# Altium PCB uTCA_MCH_PCB3.pcbdoc (part 12 of 25) (continued)
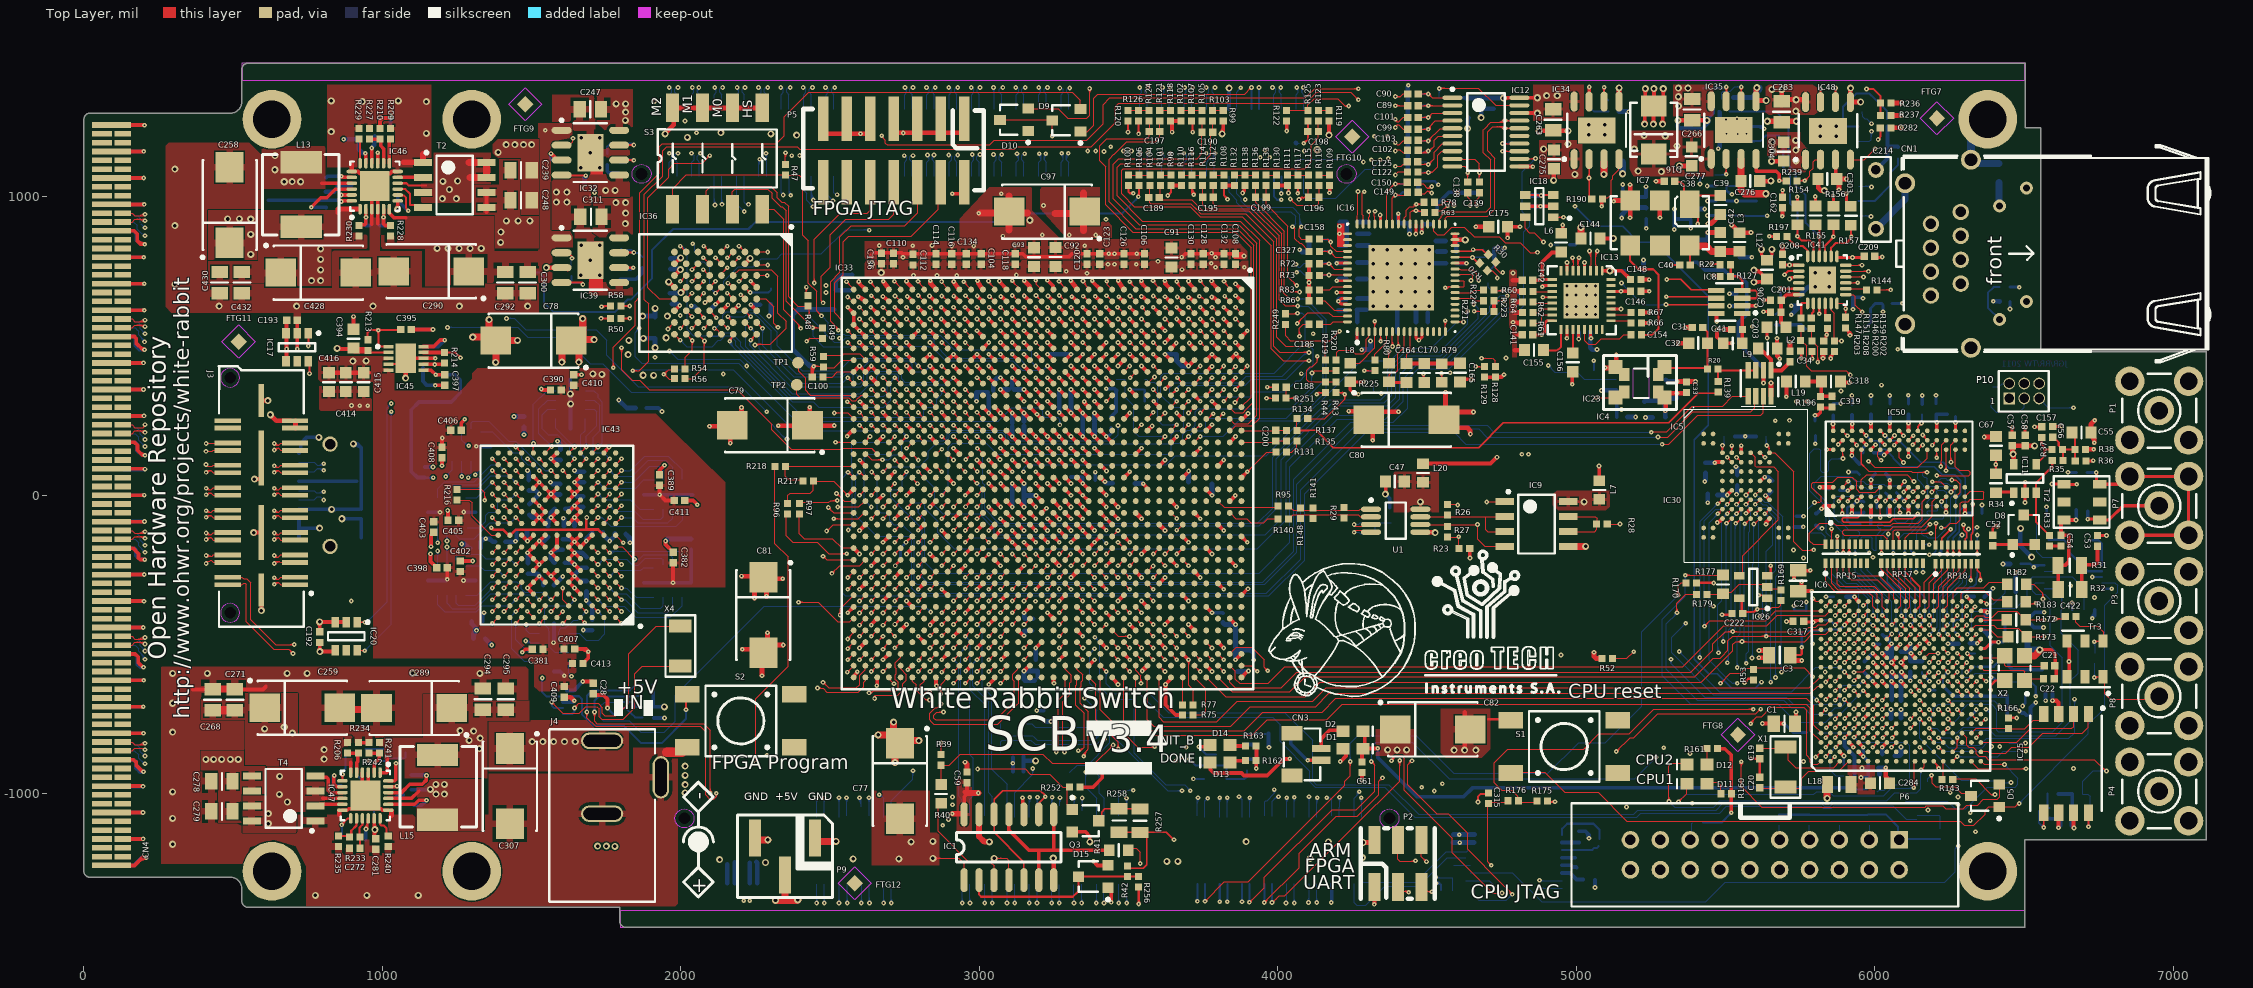
[diagram p0: Top Layer view]
## Nets (pads, with @x,y where several pads share a name; then routed paths per layer and width w, separated by ;. In a path a pad name is that pad's centre, name@x,y a point inside that pad or via, vN(x,y) a via of type N, cw(c..) or ccw(c..) an arc to the next point about the centre after c; other vN are vias at no path point) (continued)
LDO_IN: C277.1 C304.1 D16.1 IC35.1 IC48.1
  other v2: 5285.08,1084.2 5206.75,1086.02 5735.71,1120.66 5658.56,1153.43 5735.3,1155.92 5193.99,1159.5 5337.31,1170.43 5657.32,1182.88 5734.88,1189.1 5297.84,1204.44 5226.79,1205.65
M0: IC33.U8 R49.1 S3.3 | length 1735.7
  Top Layer w3.94: S3.3@2172.44,958.66 2172.44,1016.93 2181.1,1025.59 2291.73,1025.59 2306.05,1011.27 2306.05,994.25 2334.4,965.9 2339.55,965.9 2352.36,953.09 2352.36,650.59 2363.31,639.65 ; 2358.35,645.04 v1(2441.85,561.54) ; v1@2435.94,561.54 ccw(c2421.69,561.54) 2431.77,571.62 ccw(c2441.85,581.7) v1@2441.85,567.44 ; v1@2442.36,561.02 R49.1@2474.41,561.02 ; v1@2446.03,557.36 cw(c2454.87,548.51) 2454.87,561.02 ; v1@2446.03,565.71 ccw(c2457.34,577.03) 2457.34,561.02
  Top Layer w12.6: v1(3228.35,433.07) IC33.U8@3248.03,413.39
  Bottom Layer w3.94: v1@2437.67,557.36 cw(c2424.46,544.14) 2443.15,544.14 ; v1@2440.46,560.14 cw(c2433.96,553.65) 2443.15,553.65 ; 2443.15,550.41 cw(c2452.97,550.41) v1@2446.03,557.36 ; v1@2443.15,560.55 2443.15,532.05 2477.17,498.03 2564.76,498.03 ; 2565.16,498.43 2592.32,498.43 ; 2592.72,498.03 2604.13,498.03 ; 2604.53,498.43 2631.69,498.43 ; 2632.09,498.03 2643.5,498.03 ; 2643.9,498.43 2671.06,498.43 ; 2671.46,498.03 2682.87,498.03 ; 2683.27,498.43 2710.43,498.43 ; 2710.83,498.03 2722.24,498.03 ; 2722.64,498.43 2749.8,498.43 ; 2750.2,498.03 2761.61,498.03 ; 2762.01,498.43 2828.54,498.43 ; 2828.94,498.03 2839.76,498.03 2887.01,450.79 3112.4,450.79 3143.9,419.29 3213.78,419.29 v1@3227.95,433.46 ; 3216.92,422.43 cw(c3228.35,411.01) v1@3228.35,427.17 ; 3218.82,424.33 ccw(c3210.08,433.07) v1@3222.44,433.07
M1: IC33.W8 R48.1 S3.2 | length 1707.6
  Top Layer w3.94: S3.2@2072.44,958.66 2084.65,970.86 2084.65,1019.65 2100.43,1035.43 2300.66,1035.43 2323.24,1012.85 2323.24,996.56 2338.13,981.67 2346.63,981.67 2360.75,967.55 2360.75,664.45 2392.17,633.03 2429.21,633.03 v1@2429.21,599.8 ; v1@2425.63,602.44 ccw(c2416.97,611.1) 2429.21,611.1 ; 2429.21,613.95 ccw(c2445.49,613.95) v1@2433.98,602.44
  Top Layer w12.6: v1(3149.61,433.07) IC33.W8@3169.29,413.39
  Bottom Layer w3.94: v1@2429.8,592.36 cw(c2429.8,578.11) 2439.88,588.19 cw(c2449.97,598.27) v1@2435.71,598.27 ; v1(2429.8,598.27) 2484.25,543.82 2484.25,540.55 2512.99,511.81 2537.2,511.81 2552.95,527.56 2838.38,527.56 2848.43,517.52 2848.43,506.78 2896.54,458.66 3135.04,458.66 3149.21,444.49 ; v1@3145.93,437.7 ccw(c3140.54,444.49) 3149.21,444.49 ; v1@3149.21,433.46 3149.21,444.49 ; v1@3152.76,438.07 cw(c3156.8,444.49) 3149.21,444.49
M2: IC33.V8 R47.1 S3.1 | length 1910.8
  Top Layer w3.94: S3.1@1972.44,958.66 1972.44,1027.56 2018.19,1073.31 R47.1@2351.18,1073.31 ; R47.1@2348.78,1072.87 2396.57,1072.87 2408.72,1060.73 2408.72,870.32 2427.17,851.87 2427.17,711.02 2454.41,683.78 2454.41,618.39 v1@2469.53,603.27 ; 2460.69,612.1 cw(c2449.54,600.94) v1@2465.32,600.94 ; 2462.21,610.58 ccw(c2471.22,619.59) v1@2471.22,606.85
  Top Layer w12.6: v1(3188.98,433.07) IC33.V8@3208.66,413.39
  Bottom Layer w3.94: v1(2471.22,600.94) 2494.09,578.07 2494.09,547.64 2502.36,539.37 2515.75,539.37 ; 2516.14,539.37 2547.25,539.37 2550.79,535.83 2869.49,535.83 2887.8,517.52 ; 2887.8,516.93 2916.54,488.19 3167.32,488.19 3175.2,480.31 3175.2,446.46 v1@3188.58,433.07 ; 3178.22,443.43 ccw(c3188.98,454.18) v1@3188.98,438.98 ; 3179.17,442.48 cw(c3169.76,433.07) v1@3183.07,433.07
MDC: IC6.R1 IC41.13 | length 2816.4
  Top Layer w3.94: IC41.13@5902.56,672.17 5927.83,672.17 5935,665 5935,637 v1(5958,614) ; v1@5952.09,614 ccw(c5937.84,614) 5947.92,624.08 ccw(c5958,634.16) v1@5958,619.91 ; IC6.R1@6260.55,-891.2 v1(6276.3,-875.45) ; v1@6270.39,-875.45 cw(c6256.14,-875.45) 6266.22,-885.53 cw(c6276.3,-895.61) v1@6276.3,-881.35
  MidLayer2 w3.94: v1(5958,614) 5966,606 ; v1@5959.04,608.19 cw(c5960.43,600.43) 5966,606 ; v1@5963.81,612.96 ccw(c5971.57,611.57) 5966,606 ; v1@6505.93,-858.23 6590.58,-858.23 6698,-750.81 6698,-55 6714,-39 6714,391 6690,415 6421,415 6402,396 6033,396 5966,463 5966,606 ; v1@6509.37,-861.92 cw(c6518.26,-870.81) 6518.26,-858.23 ; v1@6509.37,-853.56 ccw(c6520.63,-842.3) 6520.63,-858.23
  Bottom Layer w3.94: v1(6276.3,-875.45) 6412.13,-875.45 6429.84,-857.73 6506.4,-857.73 v1@6506.9,-858.23 ; v1@6280.48,-879.62 cw(c6290.56,-889.71) 6290.56,-875.45 cw(c6290.56,-861.19) v1@6280.48,-871.27 ; 6490.91,-857.73 cw(c6490.91,-872.02) v1@6501.01,-861.92 ; 6490.95,-857.73 ccw(c6490.95,-843.5) v1@6501.01,-853.56
  other v1: 6505.19,-857.74
MDIO: IC6.P3 IC41.12 R159.1 | length 2643.4
  Top Layer w3.94: IC41.12@5873.03,642.65 5897.35,642.65 5902.24,637.76 ; v1@5897.82,620.82 cw(c5887.15,610.15) 5902.24,610.15 ; v1@5898.32,629.62 ccw(c5891.85,637.76) 5902.24,637.76 ; R159.1@5902.24,596.3 5902.24,637.76 ; 5902.24,611.33 cw(c5915.67,611.33) v1@5906.18,620.82 ; v1@5905.96,629.38 cw(c5913.54,637.76) 5902.24,637.76 ; v1@6213.31,-818.36 cw(c6213.31,-832.62) 6223.39,-822.54 cw(c6233.47,-812.46) v1@6219.21,-812.46 ; v1(6213.31,-812.46) IC6.P3@6229.06,-828.2
  MidLayer2 w3.94: v1(6022,369) 6224.47,369 ; v1@6026.18,364.82 cw(c6036.26,354.74) 6036.26,369 cw(c6036.26,383.26) v1@6026.18,373.18 ; 6224.73,368.39 6398.02,195.11 6398.02,167.87 6469.36,96.53 6479.74,96.53 6607.4,-31.13 6607.4,-45.4 6675,-113 6675,-661 6669,-667 v1(6669,-683) ; v1@6664.82,-678.82 ccw(c6654.74,-668.74) 6669,-668.74 ccw(c6683.26,-668.74) v1@6673.18,-678.82
  MidLayer3 w3.94: v1@5902,619.09 cw(c5902,604.84) 5912.08,614.92 cw(c5922.16,625) v1@5907.91,625 ; v1(5902,625) 6022,505 v1(6022,369) ; v1@6017.82,373.18 ccw(c6007.74,383.26) 6022,383.26 ccw(c6036.26,383.26) v1@6026.18,373.18
  Bottom Layer w3.94: v1(6213.31,-812.46) 6252.68,-812.46 6277.22,-837 6352,-837 6374.18,-814.82 6650.18,-814.82 6669,-796 v1(6669,-683) ; v1@6217.48,-816.63 cw(c6227.56,-826.71) 6227.56,-812.46 cw(c6227.56,-798.2) v1@6217.48,-808.28 ; v1@6664.82,-687.18 cw(c6654.74,-697.26) 6669,-697.26 cw(c6683.26,-697.26) v1@6673.18,-687.18
MGTREFCLK112_N: C138.1 IC33.AK5 | length 3477.3
  Top Layer w3.94: v1@2716.14,545.28 cw(c2716.14,530.07) 2726.89,540.82 ; v1@2716.53,551.18 IC33.AK5@2736.22,531.5 ; v1@2722.05,551.18 ccw(c2735.36,551.18) 2725.94,541.77 ; C138.1@4635.83,1013.78 4635.83,997.71 4650.04,983.49 ; v1@4643.81,976.32 ccw(c4642.8,983.49) 4650.04,983.49 ; v1@4644.36,972.42 ccw(c4643.44,978.96) 4650.04,978.96 ; v1(4644.63,970.47) 4650.04,975.89 4650.04,983.49
  MidLayer2 w3.54: 2392.47,1110.46 cw(c2425.25,1110.46) v1@2402.07,1133.64 ; 2392.47,1119.01 cw(c2416.7,1119.01) v1@2399.57,1136.14 ; 2392.47,1127.57 cw(c2408.14,1127.57) v1@2397.06,1138.65 ; v1(2397.76,1137.95) 2392.47,1132.67 2392.47,1078.1 2411.45,1059.12 2411.45,977.29 2663.23,725.51 2663.23,710.38 2679.83,693.78 2686.13,693.78 2700.49,679.43 2700.49,566.83 v1(2716.14,551.18) ; v1@2710.04,551.18 ccw(c2695.31,551.18) 2705.72,561.6 ccw(c2716.14,572.02) v1@2716.14,557.28
  MidLayer3 w3.54: v1(2397.76,1137.95) 2414.82,1137.95 2451.31,1174.44 3166.38,1174.44 3183.4,1157.42 3183.4,1129.02 3413.62,898.8 4017.81,898.8 4037.23,879.38 4119.27,879.38 4126.5,886.61 4174.38,886.61 4203.84,857.15 4238.59,857.15 4238.74,857 4558.76,857 4615.6,913.84 4632.64,913.84 4648.05,929.25 4648.05,964.85 v1@4643.87,969.03 ; v1@2402.07,1133.64 cw(c2412.49,1123.22) 2412.49,1137.95 cw(c2412.49,1152.69) v1@2402.07,1142.27 ; v1@4640.32,966.16 cw(c4621.65,947.49) 4648.05,947.49 ; v1@4642.82,968.66 cw(c4630.2,956.04) 4648.05,956.04
MGTREFCLK112_P: C139.1 IC33.AK6 | length 3545.5
  Top Layer w3.94: v1@2716.54,505.91 cw(c2716.54,491.65) 2726.62,501.73 cw(c2736.7,511.81) v1@2722.44,511.81 ; v1(2716.54,511.81) IC33.AK6@2736.22,492.13 ; 4660.98,978.96 ccw(c4667.59,978.96) v1@4666.67,972.42 ; v1(4666.39,970.47) 4660.98,975.89 4660.98,983.49 ; v1@4667.22,976.32 cw(c4668.22,983.49) 4660.98,983.49 ; C139.1@4675.2,1013.78 4675.2,997.71 4660.98,983.49
  MidLayer2 w3.54: v1@2371.62,1131.69 cw(c2371.62,1116.96) 2382.04,1127.38 cw(c2392.46,1137.8) v1@2377.72,1137.8 ; v1(2371.62,1137.8) 2382.63,1126.79 2382.63,1074.02 2401.61,1055.04 2401.61,973.21 2653.39,721.43 2653.39,706.31 2675.75,683.94 2682.06,683.94 2690.65,675.35 2690.65,537.7 v1(2716.54,511.81) ; v1@2710.43,511.81 ccw(c2695.7,511.81) 2706.12,522.23 ccw(c2716.54,532.65) v1@2716.54,517.91
  MidLayer3 w3.54: v1@2371.62,1131.69 cw(c2371.62,1107.26) 2388.9,1124.54 ; v1@2371.62,1135.24 cw(c2371.62,1119.35) 2382.85,1130.58 ; v1(2371.62,1137.8) 2375.64,1137.8 2391.23,1122.2 2412.99,1122.2 2455.39,1164.6 3162.3,1164.6 3173.56,1153.34 3173.56,1124.94 3409.55,888.96 4013.73,888.96 4030.27,872.42 4033.15,869.54 4123.35,869.54 4126.23,872.42 4130.58,876.77 4170.3,876.77 4196.88,850.19 4199.76,847.31 4234.51,847.31 4234.66,847.16 4562.84,847.16 4619.68,904 4636.72,904 4657.14,924.42 4657.89,925.17 4657.89,957.93 ; v1@2377.72,1137.8 ccw(c2382.75,1137.8) 2379.2,1134.24 ; v1@4660.56,968.68 cw(c4650.3,965.52) 4657.89,957.93 ; 4662.05,962.09 ccw(c4656.66,967.48) v1@4663.95,969.72 ; 4662.87,962.91 cw(c4666.39,959.39) v1@4666.39,964.37 ; v1@4669.42,969.46 4657.89,957.93
MGTREFCLK113_N: C122.1 IC33.AD5 | length 2147.8
  Top Layer w3.94: v1(2952.76,551.18) IC33.AD5@2972.44,531.5 ; v1(4393.69,1072.83) 4393.69,1073.47 4403.33,1083.11 C122.1@4435.49,1083.11
  MidLayer4 w3.54: v1@2952.76,556.1 2967.28,570.63 2967.28,799.64 3195.7,1028.05 3311.47,1028.05 3371.11,1087.69 3371.11,1145.13 ; v1(3362.7,1153.54) 3371.11,1145.13 ; v1@3363.68,1147.52 cw(c3365.07,1139.09) 3371.11,1145.13 ; v1@3368.72,1152.56 ccw(c3377.15,1151.17) 3371.11,1145.13
  MidLayer3 w3.54: v1(3362.7,1153.54) 3371.31,1144.93 ; v1@3363.57,1147.5 cw(c3364.88,1138.51) 3371.31,1144.94 ; v1@3368.74,1152.67 ccw(c3377.73,1151.36) 3371.31,1144.94 ; v1(4393.69,1072.83) 4384.28,1082.25 4294.03,1082.25 4175.27,963.49 3591.71,963.49 3591.58,963.36 3492.3,963.36 3371.31,1084.35 3371.31,1144.93
MGTREFCLK113_P: C125.1 IC33.AD6 | length 2193
  Top Layer w3.94: v1(2952.76,511.81) IC33.AD6@2972.44,492.13 ; v1(4393.69,1102.36) 4413.37,1102.36 4419.28,1108.27 C125.1@4435.04,1108.27
  MidLayer4 w3.54: v1@2949.55,517.01 ccw(c2946.02,522.74) 2952.76,522.74 ; v1(2952.76,511.81) 2952.76,522.74 ; v1@2955.96,517.01 cw(c2959.49,522.74) 2952.76,522.74 ; v1@3383.7,1152.77 cw(c3374.13,1151.56) 3380.95,1144.74 ; v1@3388.99,1147.49 ccw(c3387.78,1137.91) 3380.95,1144.74 ; v1(3389.76,1153.54) 3380.95,1144.74 ; 2952.76,522.74 2972.87,542.85 2972.87,555.9 2977.12,560.16 2977.12,795.56 3199.77,1018.21 3315.55,1018.21 3380.95,1083.61 3380.95,1144.74
  MidLayer3 w3.54: v1@3383.72,1152.67 cw(c3374.72,1151.36) 3381.15,1144.93 ; v1@3388.88,1147.5 ccw(c3387.58,1138.5) 3381.15,1144.93 ; v1(3389.76,1153.54) 3381.15,1144.93 ; v1(4393.69,1102.36) 4391.81,1102.36 4382.4,1092.95 4382.4,1092.68 4381.81,1092.09 4289.95,1092.09 4171.19,973.33 3587.63,973.33 3587.5,973.2 3496.38,973.2 3381.15,1088.43 3381.15,1144.93
MGTREFCLK114_N: C102.1 IC33.V5 | length 1880.6
  Top Layer w3.94: v1(3188.98,551.18) IC33.V5@3208.66,531.5 ; v1(4393.69,1153.54) 4398.17,1158.02 4408.9,1158.02 4419.28,1147.64 C102.1@4435.04,1147.64
  MidLayer4 w3.54: v1(3188.98,551.18) 3203.44,565.64 3203.44,827.6 3424.54,1048.69 3424.54,1144.58 v1(3417.49,1151.63)
  MidLayer3 w3.54: v1(3417.49,1151.63) 3432.74,1136.38 3432.74,1102.85 3503.75,1031.84 4127.58,1031.84 4259.51,1163.77 4383.47,1163.77 v1(4393.69,1153.54)
MGTREFCLK114_P: C103.1 IC33.V6 | length 1941.4
  Top Layer w3.94: v1(3188.98,511.81) IC33.V6@3208.66,492.13 ; v1(4393.69,1181.1) 4400.54,1174.25 4406.52,1174.25 4419.28,1187.01 C103.1@4435.04,1187.01
  MidLayer4 w3.54: v1(3188.98,511.81) 3213.28,536.12 3213.28,823.52 3434.38,1044.62 3434.38,1148.66 3431.5,1151.54 3431.5,1159.36 v1@3439.14,1167
  MidLayer3 w3.54: v1(3439.96,1167.32) 3433.24,1160.6 3433.24,1155.2 3442.58,1145.86 3442.58,1106.93 3507.83,1041.68 4123.5,1041.68 4255.43,1173.61 4386.2,1173.61 v1(4393.69,1181.1)
MGTREFCLK115_N: C99.1 IC33.P5 | length 1913.9
  Top Layer w3.94: v1@3346.46,545.28 cw(c3346.46,531.02) 3356.54,541.1 cw(c3366.62,551.18) v1@3352.36,551.18 ; v1(3346.46,551.18) IC33.P5@3366.14,531.5 ; v1@4393.69,1235.17 4399.11,1240.59 ; v1@4393.69,1238.19 ccw(c4393.69,1245.46) 4398.84,1240.32 ; v1@4398.61,1235.55 cw(c4401.94,1237.76) 4399.11,1240.59 ; C99.1@4435.04,1226.38 4419.28,1226.38 4405.06,1240.59 4399.11,1240.59
  MidLayer4 w3.54: v1@3346.46,545.08 cw(c3346.46,530.35) 3356.87,540.76 cw(c3367.29,551.18) v1@3352.56,551.18 ; v1(3346.46,551.18) 3361.22,536.42 3389.16,536.42 3401.12,548.38 3401.12,824.59 3483.28,906.75 3483.28,1092.87 3489.61,1099.2 3489.61,1146.21 v1(3482.28,1153.54)
  MidLayer3 w3.54: v1(3482.28,1153.54) 3491.13,1144.68 ; v1@3483.01,1147.48 cw(c3484.2,1137.75) 3491.13,1144.68 ; v1@3488.33,1152.8 ccw(c3498.07,1151.62) 3491.13,1144.68 ; v1@4387.6,1232.56 ccw(c4375.02,1233.15) 4383.92,1242.05 ; v1@4393.41,1238.38 cw(c4392.82,1250.95) 4383.92,1242.05 ; v1(4393.69,1232.28) 4383.92,1242.05 ; 3491.13,1144.68 3491.13,1109.73 3517.28,1083.59 4116.3,1083.59 4274.76,1242.05 4383.92,1242.05
MGTREFCLK115_P: C101.1 IC33.P6 | length 2010.6
  Top Layer w3.94: v1@3346.45,505.9 cw(c3346.45,491.63) 3356.55,501.72 ; v1@3346.46,511.81 IC33.P6@3366.14,492.13 ; v1@3352.36,511.81 ccw(c3366.59,511.81) 3356.53,501.74 ; v1@4393.69,1253.93 cw(c4393.69,1246.65) 4398.85,1251.8 ; v1@4393.69,1256.95 4399.11,1251.53 ; v1@4398.61,1256.57 ccw(c4401.94,1254.36) 4399.11,1251.53 ; C101.1@4435.04,1265.75 4419.28,1265.75 4405.06,1251.53 4399.11,1251.53
  MidLayer4 w3.54: v1(3346.45,511.81) 3361.21,526.57 3393.23,526.57 3410.96,544.3 3410.96,820.51 3493.12,902.67 3493.12,1088.79 3499.45,1095.12 3499.45,1143.16 ; v1@3346.45,517.91 ccw(c3346.45,532.64) 3356.87,522.23 ccw(c3367.28,511.81) v1@3352.55,511.81 ; v1@3503.73,1153.53 cw(c3489.11,1153.5) 3499.45,1143.16 ; v1@3504.54,1153.54 v1(3509.84,1153.54) 3499.45,1143.16 ; v1@3509.82,1147.44 ccw(c3509.79,1132.82) 3499.45,1143.16
  MidLayer3 w3.54: v1@3503.78,1152.8 cw(c3494.04,1151.62) 3500.98,1144.68 ; v1@3509.1,1147.48 ccw(c3507.91,1137.75) 3500.98,1144.68 ; v1(3509.84,1153.54) 3500.98,1144.68 ; 4359.77,1251.89 ccw(c4359.77,1293.76) v1@4389.38,1264.16 ; 4368.33,1251.89 ccw(c4368.33,1285.21) v1@4391.88,1261.65 ; 4376.88,1251.89 ccw(c4376.88,1276.65) v1@4394.39,1259.14 ; 4385.44,1251.89 ccw(c4385.44,1268.1) v1@4396.89,1256.64 ; v1@4393.69,1253.93 4391.65,1251.89 4270.68,1251.89 4112.22,1093.43 3521.36,1093.43 3500.98,1113.81 3500.98,1144.68
  other v1: 4393.69,1259.84
MGTREFCLK116_N: C89.1 IC33.H5 | length 1668.6
  Top Layer w3.94: v1@3582.68,545.28 cw(c3582.68,531.02) 3592.76,541.1 cw(c3602.84,551.18) v1@3588.58,551.18 ; v1(3582.68,551.18) IC33.H5@3602.36,531.5 ; v1(4393.69,1305.12) C89.1@4423.23,1305.12 ; v1@4397.87,1300.94 cw(c4407.95,1290.86) 4407.95,1305.12 cw(c4407.95,1319.37) v1@4397.87,1309.29 ; 4419.28,1305.12 C89.1@4435.04,1305.12
  MidLayer1 w3.54: v1@3582.68,545.08 cw(c3582.68,530.35) 3593.09,540.76 cw(c3603.51,551.18) v1@3588.78,551.18 ; v1(3582.68,551.18) 3597.44,536.42 3833.63,536.42 3922.56,625.35 3922.56,1045.17 3997.39,1120 3997.39,1244.35 4036.51,1283.47 4229.58,1283.47 4229.73,1283.32 4372.17,1283.32 v1@4395.43,1306.58 ; 4378.37,1289.8 v1(4393.69,1305.12) v1@4395.67,1307.09 ; 4383.08,1294.23 ccw(c4372.2,1305.12) 4387.59,1305.12 cw(c4372.86,1305.12) 4383.27,1294.7 cw(c4393.69,1284.28) 4393.69,1299.01 ccw(c4393.69,1284.94) 4383.74,1294.89
MGTREFCLK116_P: C90.1 IC33.H6 | length 1678.7
  Top Layer w3.94: v1@3582.68,505.91 cw(c3582.68,491.65) 3592.76,501.73 cw(c3602.84,511.81) v1@3588.58,511.81 ; v1(3582.68,511.81) IC33.H6@3602.36,492.13 ; v1(4393.7,1335.69) 4410.49,1335.69 4419.29,1344.49 C90.1@4435.04,1344.49 ; v1@4397.88,1331.51 cw(c4407.96,1321.43) 4407.96,1335.69 cw(c4407.96,1349.94) v1@4397.88,1339.86
  MidLayer1 w3.54: v1(3582.68,511.81) 3597.44,526.57 3837.71,526.57 3932.4,621.27 3932.4,1041.09 4007.23,1115.92 4007.23,1240.27 4040.59,1273.63 4225.5,1273.63 4225.65,1273.48 4379.71,1273.48 4394.39,1288.16 4400.18,1288.16 4410.42,1298.4 4410.42,1319.9 v1@4395.67,1334.65 ; v1@3582.68,517.91 ccw(c3582.68,532.65) 3593.09,522.23 ccw(c3603.51,511.81) v1@3588.78,511.81 ; v1@4393.7,1329.58 cw(c4393.7,1312.61) 4405.7,1324.61 ; v1@4399.8,1335.69 ccw(c4412.29,1335.69) 4403.46,1326.85
MGTRX112_0_N: IC33.AP6 J1.3 | length 1300.9
  Top Layer w3.94: v1@2559.06,505.91 cw(c2559.06,491.65) 2569.14,501.73 cw(c2579.22,511.81) v1@2564.96,511.81 ; v1(2559.06,511.81) IC33.AP6@2578.74,492.13
  MidLayer2 w3.54: v1@1984.05,1366.14 cw(c1969.32,1366.14) 1979.74,1355.72 cw(c1990.15,1345.3) v1@1990.15,1360.04 ; v1(1990.15,1366.14) 1979.22,1355.21 1979.22,1338.83 2146.65,1171.4 2146.65,1088.02 2522.38,712.29 2522.38,625.4 2577.85,569.93 2577.85,546.37 2559.06,527.58 v1(2559.06,511.81) ; v1@2554.74,516.13 ccw(c2544.32,526.54) 2559.06,526.54 ccw(c2573.79,526.54) v1@2563.37,516.13
  Bottom Layer w3.94: v1@1986.75,1361.32 ccw(c1983.66,1356.95) 1979.88,1360.73 ; J1.3@1987.01,1293.9 1987.01,1342.2 1979.88,1349.33 1979.88,1360.73 ; v1(1990.15,1366.14) 1985.29,1366.14 1979.88,1360.73
MGTRX112_0_P: IC33.AP5 J1.1 | length 1268.2
  Top Layer w3.94: v1@2559.06,545.28 cw(c2559.06,531.02) 2569.14,541.1 cw(c2579.22,551.18) v1@2564.96,551.18 ; v1(2559.06,551.18) IC33.AP5@2578.74,531.5
  MidLayer2 w3.54: v1(1960.63,1366.14) 1969.38,1357.39 ; v1@1961.42,1360.09 cw(c1962.66,1350.66) 1969.38,1357.39 ; v1@1966.68,1365.34 ccw(c1976.1,1364.11) 1969.38,1357.39 ; v1(2559.06,551.18) 2568.01,560.13 ; v1@2559.74,557.24 ccw(c2560.88,567.26) 2568.01,560.13 ; v1@2565.12,551.87 cw(c2575.14,553) 2568.01,560.13 ; 1969.38,1357.39 1969.38,1334.75 2136.81,1167.32 2136.81,1083.94 2512.54,708.21 2512.54,621.32 2533.71,600.15 2538.81,595.05 2538.81,585.5 2534.44,581.13 2534.44,571.58 2538.54,567.49 2548.08,567.49 2552.46,571.86 2562,571.86 2564.05,569.81 2568.01,565.85 2568.01,560.13
  Bottom Layer w3.94: J1.1@1961.81,1293.9 1961.81,1342.2 1968.94,1349.33 1968.94,1360.73 ; v1@1963.53,1366.14 1968.94,1360.73 ; v1@1963.9,1361.23 cw(c1966.12,1357.91) 1968.94,1360.73 ; v1@1966.53,1366.14 ccw(c1973.78,1366.14) 1968.65,1361.02
MGTRX112_1_N: IC33.AM6 J1.7 | length 1336.1
  Top Layer w3.94: v1@2637.8,505.91 cw(c2637.8,491.65) 2647.88,501.73 cw(c2657.96,511.81) v1@2643.7,511.81 ; v1(2637.8,511.81) IC33.AM6@2657.48,492.13
  MidLayer2 w3.54: v1@2055.44,1362.39 cw(c2051.56,1359.36) 2055.04,1355.88 ; v1@2059.31,1360.15 2055.04,1355.88 ; v1(2637.8,511.81) 2662.15,536.17 2662.15,640.29 2651.01,651.43 2648.13,654.31 2629.54,654.31 2616.92,666.93 2616.92,674.65 2603.78,687.79 2596.06,687.79 2583.15,700.7 2583.15,725.52 2564,744.67 2553.56,744.67 2223.01,1075.22 2223.01,1187.26 2115.07,1295.2 2085.5,1295.2 2055.04,1325.66 2055.04,1355.88 ; v1@2637.8,517.91 ccw(c2637.8,532.65) 2648.21,522.23 ccw(c2658.63,511.81) v1@2643.9,511.81
  Bottom Layer w3.94: 2054.84,1348.48 cw(c2068.38,1348.48) v1@2062.72,1360.78 ; 2054.84,1354.62 cw(c2065.55,1354.62) v1@2061.07,1364.35 ; v1(2060.25,1366.14) 2054.84,1360.73 2054.84,1349.33 2061.97,1342.2 J1.7@2061.97,1293.9
MGTRX112_1_P: IC33.AM5 J1.5 | length 1342.6
  Top Layer w3.94: v1@2637.8,545.28 cw(c2637.8,531.02) 2647.88,541.1 cw(c2657.96,551.18) v1@2643.7,551.18 ; v1(2637.8,551.18) IC33.AM5@2657.48,531.5
  MidLayer2 w3.54: v1@2034.17,1361.83 cw(c2011.03,1338.69) 2043.76,1338.69 ; v1@2036.68,1364.33 cw(c2019.59,1347.24) 2043.76,1347.24 ; v1@2039.18,1366.84 cw(c2028.14,1355.8) 2043.76,1355.8 ; 2043.76,1360.15 2043.76,1323.02 2081.42,1285.36 2110.99,1285.36 2213.17,1183.18 2213.17,1071.14 2549.48,734.83 2559.92,734.83 2573.31,721.44 2573.31,696.63 2591.98,677.95 2599.7,677.95 2607.08,670.57 2607.08,660.57 2623.18,644.47 2644.05,644.47 2652.31,636.21 2652.31,565.7 v1(2637.8,551.18) ; v1@2637.8,557.28 ccw(c2637.8,572.02) 2648.21,561.6 ccw(c2658.63,551.18) v1@2643.9,551.18
  Bottom Layer w3.94: v1@2036.02,1360.78 cw(c2030.36,1348.48) 2043.9,1348.48 ; J1.5@2036.77,1293.9 2036.77,1342.2 2043.9,1349.33 2043.9,1360.73 v1(2038.49,1366.14) ; v1@2037.67,1364.35 cw(c2033.19,1354.62) 2043.9,1354.62
MGTRX112_2_N: IC33.AL4 J1.11 | length 1292.1
  Top Layer w3.94: v1@2677.17,584.65 cw(c2677.17,570.39) 2687.25,580.47 cw(c2697.33,590.55) v1@2683.07,590.55 ; v1(2677.17,590.55) IC33.AL4@2696.85,570.87
  MidLayer1 w3.54: v1@2133.67,1365.79 cw(c2121.52,1365.11) 2130.12,1356.5 ; v1@2139.41,1360.05 ccw(c2138.73,1347.9) 2130.12,1356.5 ; v1(2139.76,1366.14) 2130.12,1356.5 ; v1(2677.17,590.55) 2700.08,613.47 2700.08,686.7 2691.56,695.22 2688.68,698.1 2670.69,698.1 2662.32,706.47 2662.32,727.72 2641.37,748.67 2638.49,751.55 2637.74,751.55 2403.61,985.68 2400.73,988.56 2305.39,988.56 2109.5,1184.45 2109.5,1280.14 2130.12,1300.76 2130.12,1356.5 ; v1@2677.17,596.65 ccw(c2677.17,611.39) 2687.58,600.97 ccw(c2698,590.55) v1@2683.27,590.55
  Bottom Layer w3.94: v1@2136.37,1361.3 ccw(c2133.43,1357.1) 2129.8,1360.73 ; J1.11@2136.93,1293.9 2136.93,1342.2 2129.8,1349.33 2129.8,1360.73 ; v1(2139.76,1366.14) 2135.22,1366.14 2129.8,1360.73
MGTRX112_2_P: IC33.AL3 J1.9 | length 1244.2
  Top Layer w3.94: v1@2677.17,624.02 cw(c2677.17,609.76) 2687.25,619.84 cw(c2697.33,629.92) v1@2683.07,629.92 ; v1(2677.17,629.92) IC33.AL3@2696.85,610.24
  MidLayer1 w3.54: v1(2113.45,1366.14) 2120.28,1359.31 2120.28,1304.84 2099.66,1284.22 2099.66,1180.37 2301.31,978.72 2396.65,978.72 2633.66,741.71 2634.41,741.71 2652.48,723.64 2652.48,700.17 2664.39,688.26 2684.6,688.26 2690.24,682.62 2690.24,643 v1(2677.17,629.92) ; v1@2677.17,636.02 ccw(c2677.17,650.76) 2687.58,640.34 ccw(c2698,629.92) v1@2683.27,629.92
  Bottom Layer w3.94: v1@2110.98,1360.78 cw(c2105.32,1348.48) 2118.86,1348.48 ; J1.9@2111.73,1293.9 2111.73,1342.2 2118.86,1349.33 2118.86,1360.73 v1(2113.45,1366.14) ; v1@2112.63,1364.35 cw(c2108.15,1354.62) 2118.86,1354.62
MGTRX112_3_N: IC33.AJ4 J1.15 | length 1219.6
  Top Layer w3.94: v1@2755.91,584.65 cw(c2755.91,570.39) 2765.99,580.47 cw(c2776.07,590.55) v1@2761.81,590.55 ; v1(2755.91,590.55) IC33.AJ4@2775.59,570.87
  MidLayer1 w3.54: v1@2208.54,1365.14 cw(c2200.17,1363.75) 2206.17,1357.75 ; v1@2213.56,1360.12 ccw(c2212.17,1351.74) 2206.17,1357.75 ; v1(2214.56,1366.14) 2206.17,1357.75 ; v1@2754.2,590.99 2772.7,609.49 2772.7,675.37 2752.94,695.13 2752.43,695.13 2741.83,705.73 2741.83,746.16 2672.85,815.14 2653.87,815.14 2482.26,986.75 2482.26,996.17 2206.17,1272.26 2206.17,1357.75 ; v1@2755.91,596.65 ccw(c2755.91,606.21) 2762.66,599.45 ; v1@2758.46,590.55 cw(c2769.82,590.55) 2761.79,598.58 ; v1@2762.01,590.55 cw(c2781.92,590.55) 2767.84,604.63
  Bottom Layer w3.94: v1@2210.17,1366.14 2204.76,1360.73 ; v1@2210.18,1366.14 v1(2214.56,1366.14) ; v1@2211.18,1361.3 ccw(c2208.31,1357.18) 2204.76,1360.73 ; J1.15@2211.89,1293.9 2211.89,1342.2 2204.76,1349.33 2204.76,1360.73
MGTRX112_3_P: IC33.AJ3 J1.13 | length 1218.3
  Top Layer w3.94: v1@2755.91,624.02 cw(c2755.91,609.76) 2765.99,619.84 cw(c2776.07,629.92) v1@2761.81,629.92 ; v1(2755.91,629.92) IC33.AJ3@2775.59,610.24
  MidLayer1 w3.54: v1(2188.41,1366.14) 2196.33,1358.22 ; v1@2189.7,1360.18 cw(c2191.22,1353.12) 2196.33,1358.22 ; v1@2194.37,1364.85 ccw(c2201.43,1363.33) 2196.33,1358.22 ; 2745.78,639.64 cw(c2736.05,629.92) v1@2749.8,629.92 ; v1@2753.53,631.89 2745.48,639.94 ; v1@2755.62,636.02 cw(c2754.99,649.45) 2745.48,639.94 ; 2196.33,1358.22 2196.33,1268.18 2472.42,992.09 2472.42,982.67 2589.92,865.17 2590.57,864.52 2590.57,854.97 2586.2,850.6 2586.2,841.05 2590.29,836.96 2599.84,836.96 2604.21,841.33 2613.76,841.33 2617.85,837.24 2617.85,827.69 2613.48,823.32 2613.48,813.77 2617.57,809.68 2627.12,809.68 2631.49,814.05 2641.04,814.05 2643.09,812.01 2649.79,805.3 2668.77,805.3 2731.99,742.08 2731.99,701.65 2745.48,688.16 2745.48,639.94
  Bottom Layer w3.94: v1@2185.94,1360.78 cw(c2180.28,1348.48) 2193.82,1348.48 ; J1.13@2186.69,1293.9 2186.69,1342.2 2193.82,1349.33 2193.82,1360.73 v1(2188.41,1366.14) ; v1@2187.59,1364.35 cw(c2183.11,1354.62) 2193.82,1354.62
MGTRX113_0_N: IC33.AG4 J1.19 | length 1242
  Top Layer w3.94: v1@2834.65,584.65 cw(c2834.65,570.39) 2844.73,580.47 cw(c2854.81,590.55) v1@2840.55,590.55 ; v1(2834.65,590.55) IC33.AG4@2854.33,570.87
  MidLayer1 w3.54: v1@2285.25,1365.7 cw(c2273.71,1364.87) 2281.89,1356.7 ; v1@2290.9,1360.05 ccw(c2290.07,1348.52) 2281.89,1356.7 ; v1(2291.33,1366.14) 2281.89,1356.69 ; v1(2834.65,590.55) 2856.17,612.08 2856.17,681.78 2843.3,694.65 2828.98,694.65 2820.64,702.99 2820.64,767.11 2406.13,1181.62 2382.68,1181.62 2350.27,1214.03 2350.27,1248.55 2281.89,1316.93 2281.89,1356.69 ; v1@2834.65,596.65 ccw(c2834.65,611.39) 2845.06,600.97 ccw(c2855.48,590.55) v1@2840.75,590.55
  Bottom Layer w3.94: 2282.98,1363.98 cw(c2286.91,1360.06) v1@2290.18,1364.55 ; J1.19@2286.85,1293.9 2286.85,1342.2 2279.72,1349.33 2279.72,1360.73 ; v1@2287.86,1361.36 ccw(c2284.16,1356.29) 2279.72,1360.73 ; v1(2291.33,1366.14) 2285.14,1366.14 2279.72,1360.73
MGTRX113_0_P: IC33.AG3 J1.17 | length 1244.8
  Top Layer w3.94: v1@2834.65,624.02 cw(c2834.65,609.76) 2844.73,619.84 cw(c2854.81,629.92) v1@2840.55,629.92 ; v1(2834.65,629.92) IC33.AG3@2854.33,610.24
  MidLayer1 w3.54: v1@2259.84,1360.04 cw(c2259.84,1345.3) 2270.26,1355.72 cw(c2280.67,1366.14) v1@2265.94,1366.14 ; v1(2259.84,1366.14) 2272.05,1353.93 2272.05,1312.85 2340.43,1244.47 2340.43,1209.96 2378.6,1171.78 2402.05,1171.78 2697.82,876.01 2697.82,874.87 2689.25,866.29 2689.25,856.74 2693.34,852.65 2702.89,852.65 2707.26,857.02 2716.81,857.02 2720.9,852.93 2720.9,843.38 2716.53,839.01 2716.53,829.46 2720.62,825.37 2730.17,825.37 2734.54,829.74 2744.09,829.74 2746.14,827.7 2810.8,763.03 2810.8,698.91 2824.9,684.81 2839.22,684.81 2846.33,677.7 2846.33,641.61 v1(2834.65,629.92) ; v1@2834.65,636.02 ccw(c2834.65,650.76) 2845.06,640.34 ccw(c2855.48,629.92) v1@2840.75,629.92
  Bottom Layer w3.94: v1(2259.84,1366.14) 2263.37,1366.14 2268.78,1360.73 ; J1.17@2261.65,1293.9 2261.65,1342.2 2268.78,1349.33 2268.78,1360.73 ; v1@2263.16,1361.26 cw(c2265.65,1357.6) 2268.78,1360.73 ; v1@2265.74,1366.14 ccw(c2271.47,1366.14) 2267.42,1362.09
MGTRX113_1_N: IC33.AF6 J1.23 | length 1290.8
  Top Layer w3.94: v1@2874.02,505.91 cw(c2874.02,491.65) 2884.1,501.73 cw(c2894.18,511.81) v1@2879.92,511.81 ; v1(2874.02,511.81) IC33.AF6@2893.7,492.13
  MidLayer1 w3.54: v1@2360.03,1366.14 cw(c2345.3,1366.14) 2355.72,1355.72 cw(c2366.14,1345.3) v1@2366.14,1360.04 ; v1(2366.14,1366.14) 2354.42,1354.42 2354.42,1322.7 2812.25,864.87 2812.25,831.38 2898.18,745.45 2898.18,535.98 v1(2874.02,511.81) ; v1@2874.02,517.91 ccw(c2874.02,532.65) 2884.43,522.23 ccw(c2894.85,511.81) v1@2880.12,511.81
  Bottom Layer w3.94: 2357.94,1363.99 cw(c2361.79,1360.15) v1@2364.98,1364.55 ; J1.23@2361.81,1293.9 2361.81,1342.2 2354.68,1349.33 2354.68,1360.73 ; v1@2362.67,1361.36 ccw(c2359.04,1356.37) 2354.68,1360.73 ; v1(2366.14,1366.14) 2360.1,1366.14 2354.68,1360.73